# KiCad board panel.opm-inline.kicad_pcb
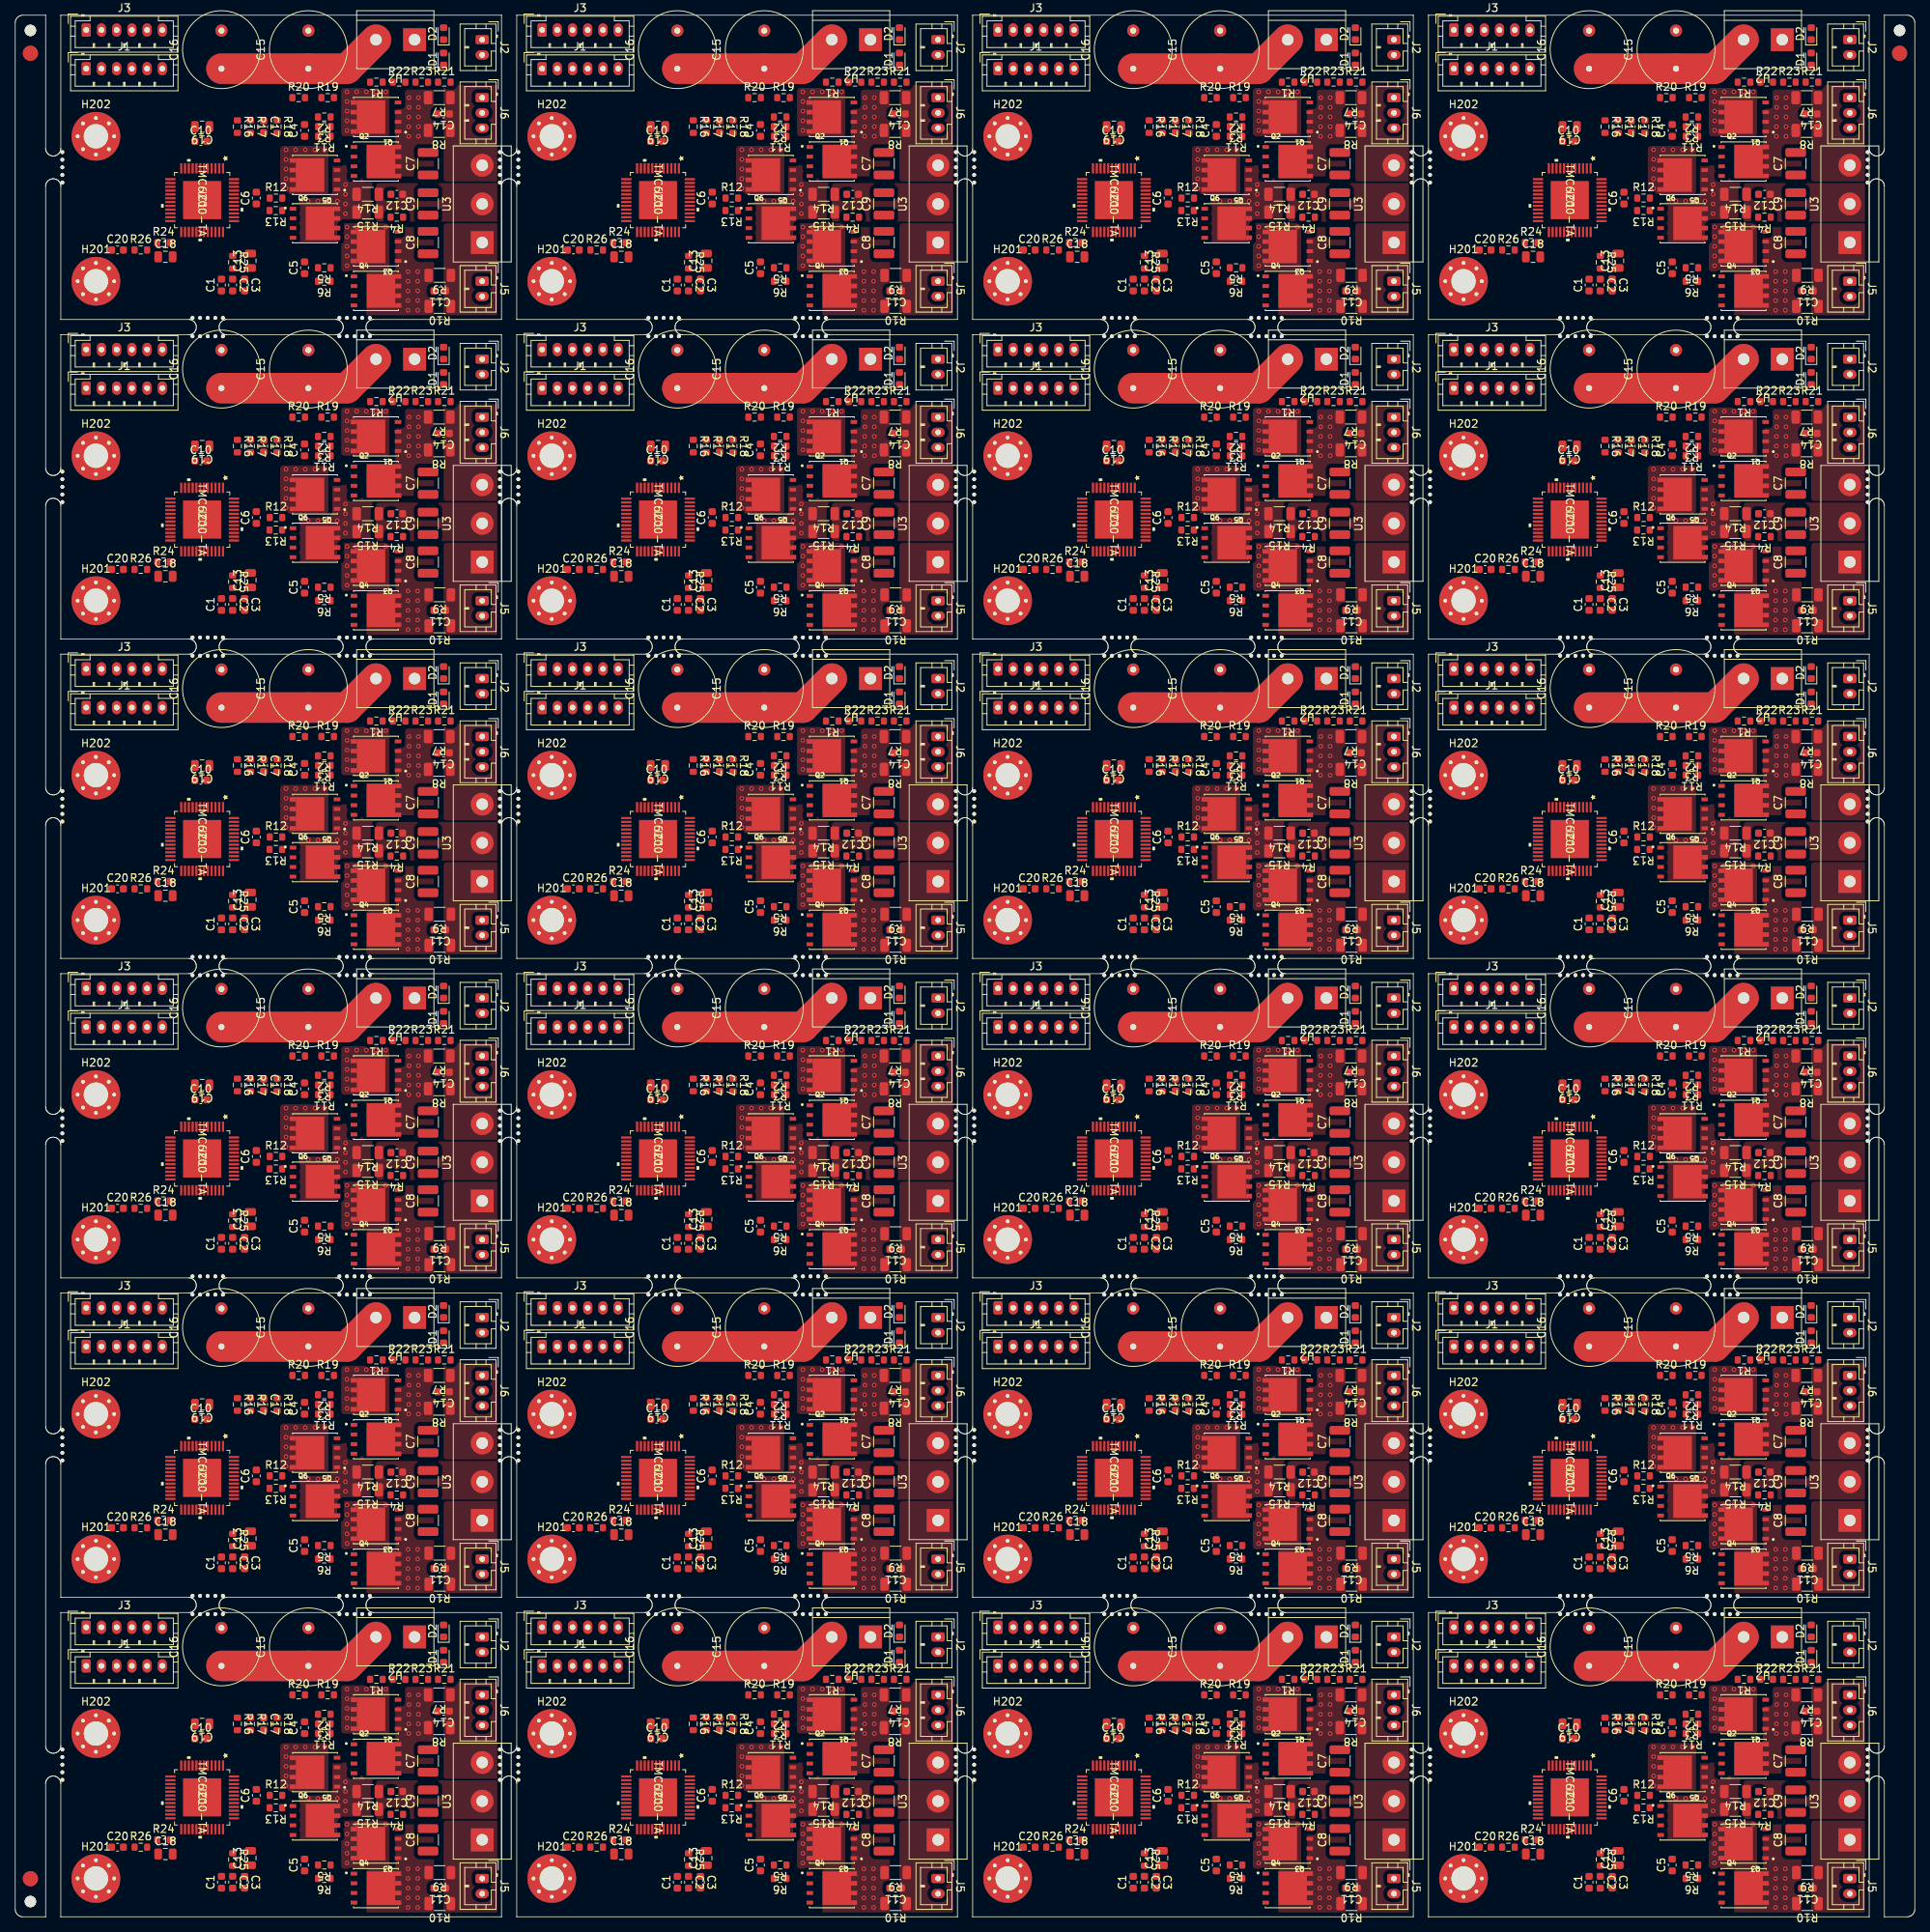
[diagram p0: board, top side]
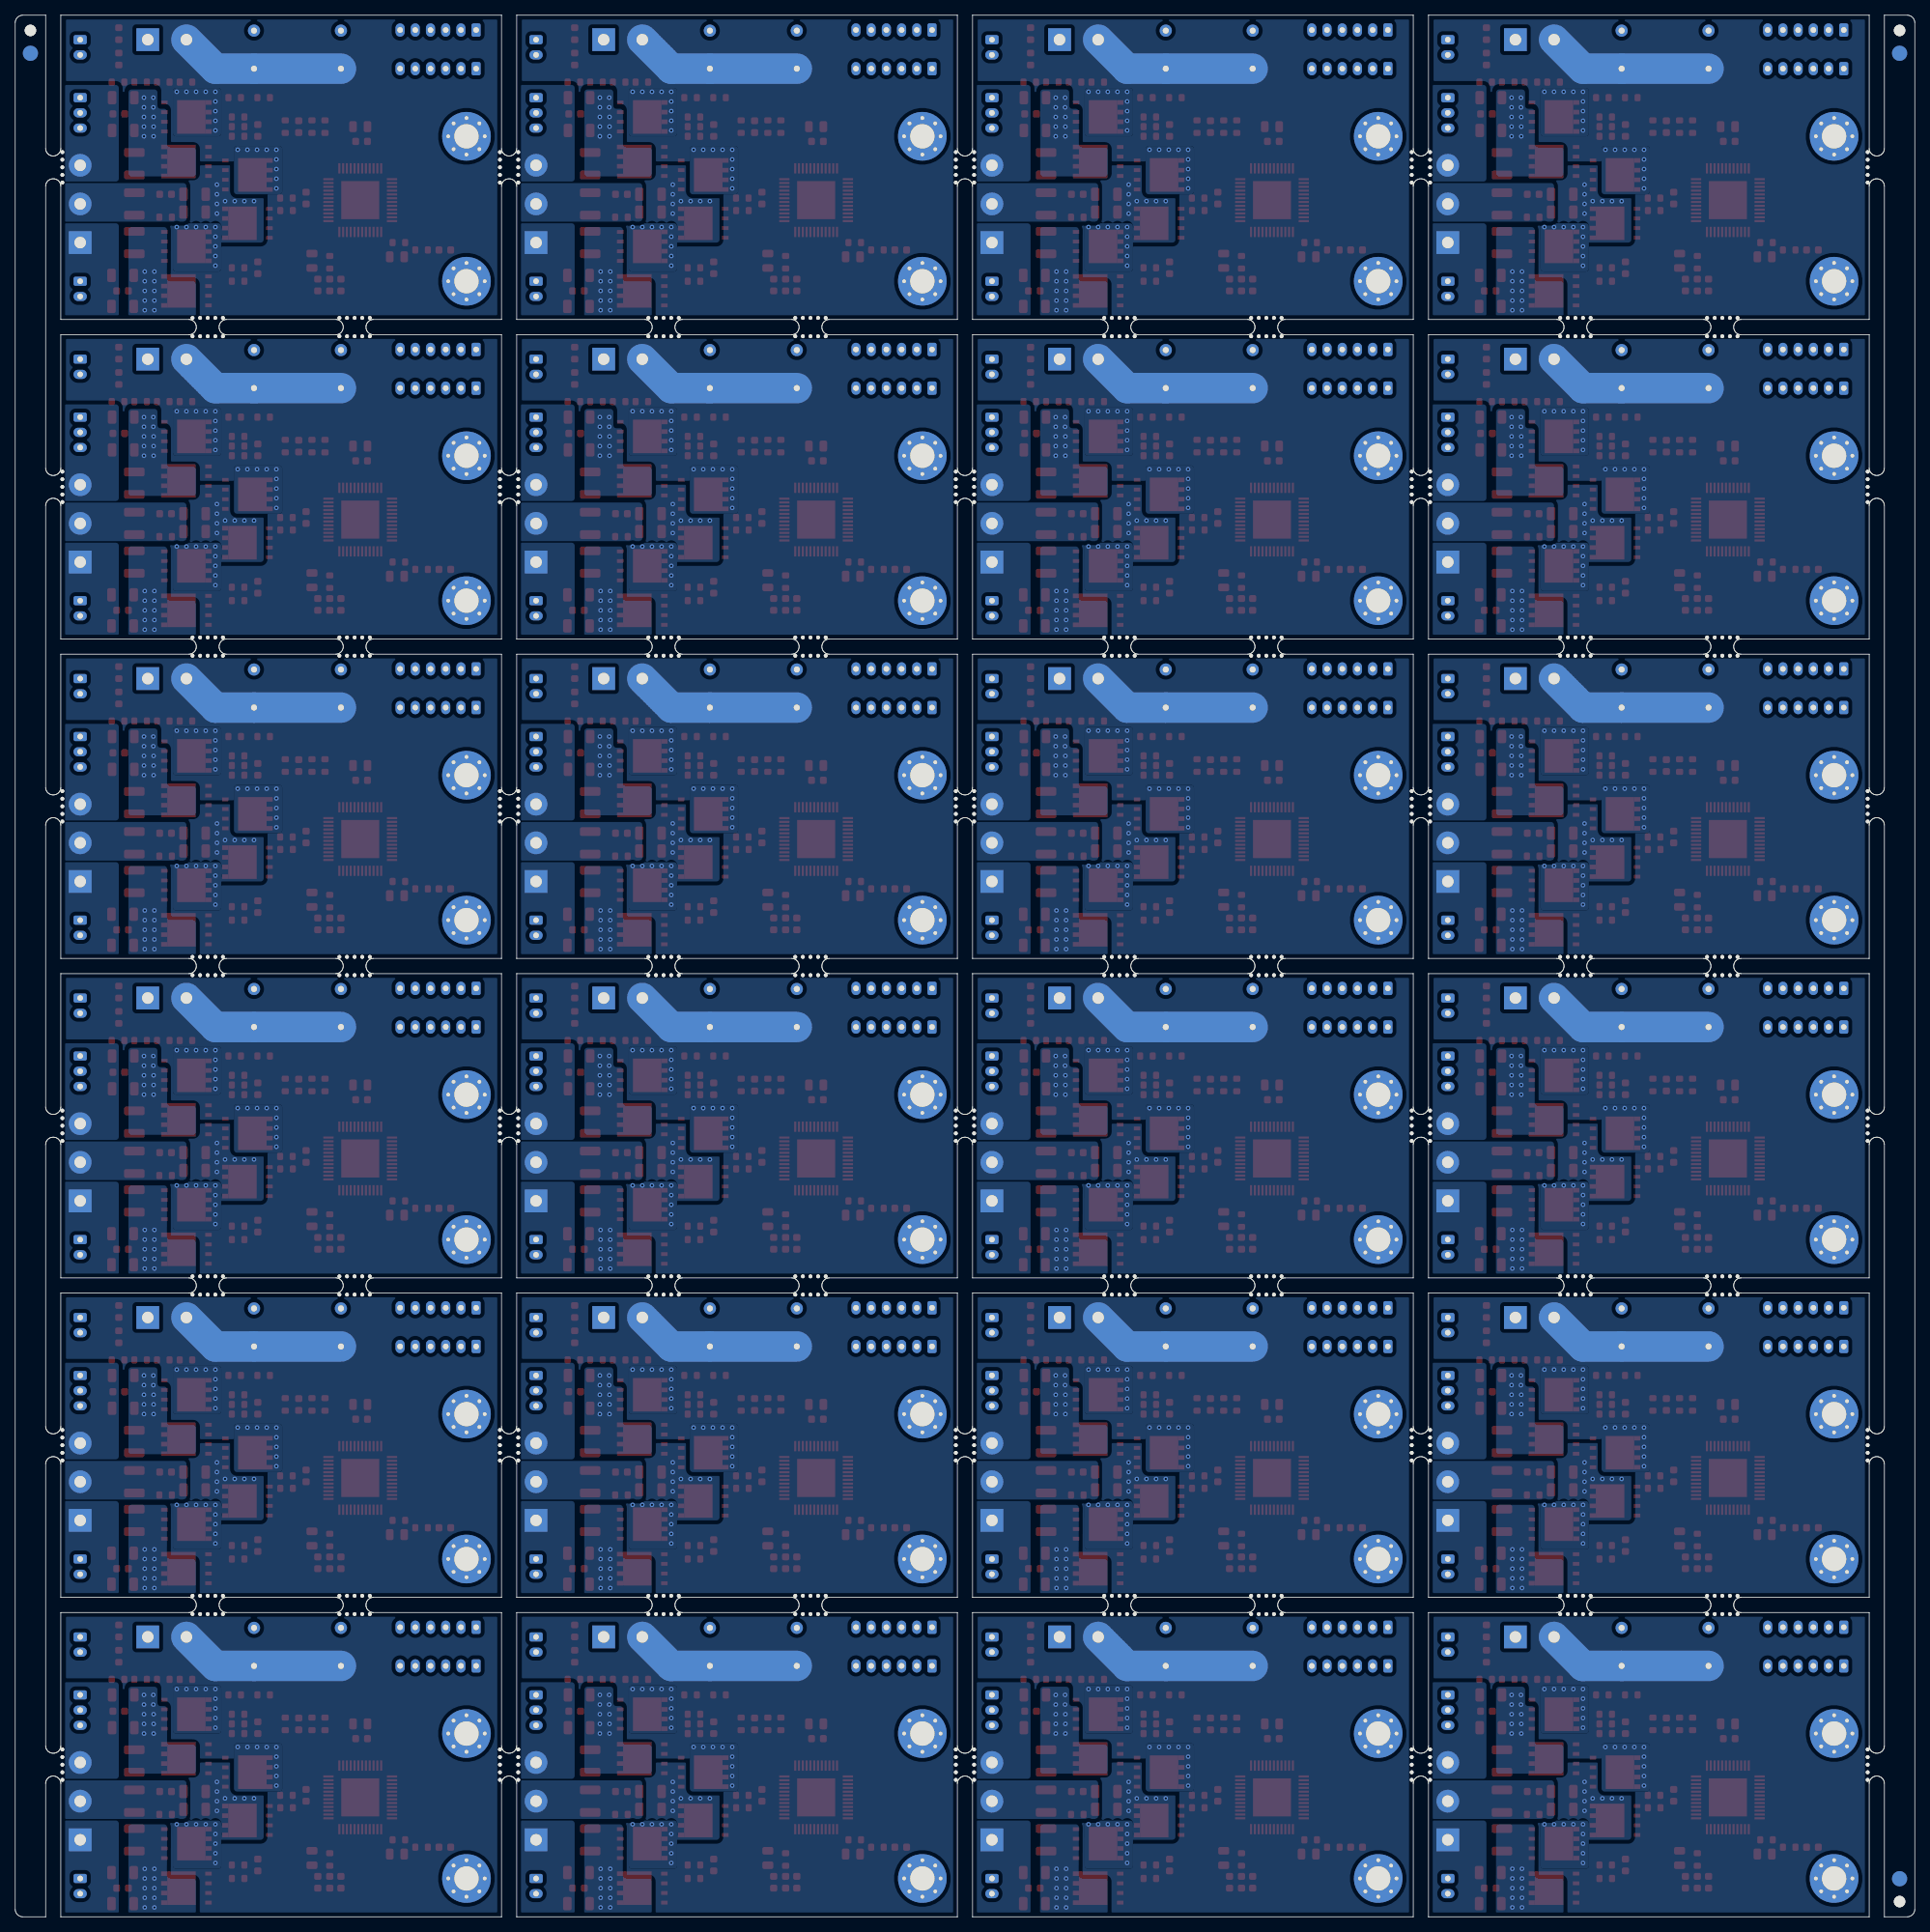
[diagram p1: board, bottom side, seen from below]

Outline 249.8 x 249.95 mm; copper layers: Top, In1.Cu, In2.Cu, Bottom. Coordinates in mm from the lower left corner of the outline.

## Placement (name value [footprint] x y rotation side)
C1  22nF/100V  [C_0603_1608Metric]  27.12 214.49 90 top
C1#2  22nF/100V  [C_0603_1608Metric]  87.07 214.49 90 top
C1#3  22nF/100V  [C_0603_1608Metric]  147.02 214.49 90 top
C1#4  22nF/100V  [C_0603_1608Metric]  206.97 214.49 90 top
C1#5  22nF/100V  [C_0603_1608Metric]  27.12 172.5 90 top
C1#6  22nF/100V  [C_0603_1608Metric]  87.07 172.5 90 top
C1#7  22nF/100V  [C_0603_1608Metric]  147.02 172.5 90 top
C1#8  22nF/100V  [C_0603_1608Metric]  206.97 172.5 90 top
C1#9  22nF/100V  [C_0603_1608Metric]  27.12 130.51 90 top
C1#10  22nF/100V  [C_0603_1608Metric]  87.07 130.51 90 top
C1#11  22nF/100V  [C_0603_1608Metric]  147.02 130.51 90 top
C1#12  22nF/100V  [C_0603_1608Metric]  206.97 130.51 90 top
C1#13  22nF/100V  [C_0603_1608Metric]  27.12 88.52 90 top
C1#14  22nF/100V  [C_0603_1608Metric]  87.07 88.52 90 top
C1#15  22nF/100V  [C_0603_1608Metric]  147.02 88.52 90 top
C1#16  22nF/100V  [C_0603_1608Metric]  206.97 88.52 90 top
C1#17  22nF/100V  [C_0603_1608Metric]  27.12 46.53 90 top
C1#18  22nF/100V  [C_0603_1608Metric]  87.07 46.53 90 top
C1#19  22nF/100V  [C_0603_1608Metric]  147.02 46.53 90 top
C1#20  22nF/100V  [C_0603_1608Metric]  206.97 46.53 90 top
C1#21  22nF/100V  [C_0603_1608Metric]  27.12 4.54 90 top
C1#22  22nF/100V  [C_0603_1608Metric]  87.07 4.54 90 top
C1#23  22nF/100V  [C_0603_1608Metric]  147.02 4.54 90 top
C1#24  22nF/100V  [C_0603_1608Metric]  206.97 4.54 90 top
C2  100nF/100V  [C_0603_1608Metric]  28.59 214.49 270 top
C2#2  100nF/100V  [C_0603_1608Metric]  88.54 214.49 270 top
C2#3  100nF/100V  [C_0603_1608Metric]  148.49 214.49 270 top
C2#4  100nF/100V  [C_0603_1608Metric]  208.44 214.49 270 top
C2#5  100nF/100V  [C_0603_1608Metric]  28.59 172.5 270 top
C2#6  100nF/100V  [C_0603_1608Metric]  88.54 172.5 270 top
C2#7  100nF/100V  [C_0603_1608Metric]  148.49 172.5 270 top
C2#8  100nF/100V  [C_0603_1608Metric]  208.44 172.5 270 top
C2#9  100nF/100V  [C_0603_1608Metric]  28.59 130.51 270 top
C2#10  100nF/100V  [C_0603_1608Metric]  88.54 130.51 270 top
C2#11  100nF/100V  [C_0603_1608Metric]  148.49 130.51 270 top
C2#12  100nF/100V  [C_0603_1608Metric]  208.44 130.51 270 top
C2#13  100nF/100V  [C_0603_1608Metric]  28.59 88.52 270 top
C2#14  100nF/100V  [C_0603_1608Metric]  88.54 88.52 270 top
C2#15  100nF/100V  [C_0603_1608Metric]  148.49 88.52 270 top
C2#16  100nF/100V  [C_0603_1608Metric]  208.44 88.52 270 top
C2#17  100nF/100V  [C_0603_1608Metric]  28.59 46.53 270 top
C2#18  100nF/100V  [C_0603_1608Metric]  88.54 46.53 270 top
C2#19  100nF/100V  [C_0603_1608Metric]  148.49 46.53 270 top
C2#20  100nF/100V  [C_0603_1608Metric]  208.44 46.53 270 top
C2#21  100nF/100V  [C_0603_1608Metric]  28.59 4.54 270 top
C2#22  100nF/100V  [C_0603_1608Metric]  88.54 4.54 270 top
C2#23  100nF/100V  [C_0603_1608Metric]  148.49 4.54 270 top
C2#24  100nF/100V  [C_0603_1608Metric]  208.44 4.54 270 top
C3  100nF/100V  [C_0603_1608Metric]  30.16 214.49 270 top
C3#2  100nF/100V  [C_0603_1608Metric]  90.11 214.49 270 top
C3#3  100nF/100V  [C_0603_1608Metric]  150.06 214.49 270 top
C3#4  100nF/100V  [C_0603_1608Metric]  210.01 214.49 270 top
C3#5  100nF/100V  [C_0603_1608Metric]  30.16 172.5 270 top
C3#6  100nF/100V  [C_0603_1608Metric]  90.11 172.5 270 top
C3#7  100nF/100V  [C_0603_1608Metric]  150.06 172.5 270 top
C3#8  100nF/100V  [C_0603_1608Metric]  210.01 172.5 270 top
C3#9  100nF/100V  [C_0603_1608Metric]  30.16 130.51 270 top
C3#10  100nF/100V  [C_0603_1608Metric]  90.11 130.51 270 top
C3#11  100nF/100V  [C_0603_1608Metric]  150.06 130.51 270 top
C3#12  100nF/100V  [C_0603_1608Metric]  210.01 130.51 270 top
C3#13  100nF/100V  [C_0603_1608Metric]  30.16 88.52 270 top
C3#14  100nF/100V  [C_0603_1608Metric]  90.11 88.52 270 top
C3#15  100nF/100V  [C_0603_1608Metric]  150.06 88.52 270 top
C3#16  100nF/100V  [C_0603_1608Metric]  210.01 88.52 270 top
C3#17  100nF/100V  [C_0603_1608Metric]  30.16 46.53 270 top
C3#18  100nF/100V  [C_0603_1608Metric]  90.11 46.53 270 top
C3#19  100nF/100V  [C_0603_1608Metric]  150.06 46.53 270 top
C3#20  100nF/100V  [C_0603_1608Metric]  210.01 46.53 270 top
C3#21  100nF/100V  [C_0603_1608Metric]  30.16 4.54 270 top
C3#22  100nF/100V  [C_0603_1608Metric]  90.11 4.54 270 top
C3#23  100nF/100V  [C_0603_1608Metric]  150.06 4.54 270 top
C3#24  100nF/100V  [C_0603_1608Metric]  210.01 4.54 270 top
C4  470nF/16V  [C_0603_1608Metric]  38.05 234.81 90 top
C4#2  470nF/16V  [C_0603_1608Metric]  98 234.81 90 top
C4#3  470nF/16V  [C_0603_1608Metric]  157.95 234.81 90 top
C4#4  470nF/16V  [C_0603_1608Metric]  217.9 234.81 90 top
C4#5  470nF/16V  [C_0603_1608Metric]  38.05 192.82 90 top
C4#6  470nF/16V  [C_0603_1608Metric]  98 192.82 90 top
C4#7  470nF/16V  [C_0603_1608Metric]  157.95 192.82 90 top
C4#8  470nF/16V  [C_0603_1608Metric]  217.9 192.82 90 top
C4#9  470nF/16V  [C_0603_1608Metric]  38.05 150.83 90 top
C4#10  470nF/16V  [C_0603_1608Metric]  98 150.83 90 top
C4#11  470nF/16V  [C_0603_1608Metric]  157.95 150.83 90 top
C4#12  470nF/16V  [C_0603_1608Metric]  217.9 150.83 90 top
C4#13  470nF/16V  [C_0603_1608Metric]  38.05 108.84 90 top
C4#14  470nF/16V  [C_0603_1608Metric]  98 108.84 90 top
C4#15  470nF/16V  [C_0603_1608Metric]  157.95 108.84 90 top
C4#16  470nF/16V  [C_0603_1608Metric]  217.9 108.84 90 top
C4#17  470nF/16V  [C_0603_1608Metric]  38.05 66.85 90 top
C4#18  470nF/16V  [C_0603_1608Metric]  98 66.85 90 top
C4#19  470nF/16V  [C_0603_1608Metric]  157.95 66.85 90 top
C4#20  470nF/16V  [C_0603_1608Metric]  217.9 66.85 90 top
C4#21  470nF/16V  [C_0603_1608Metric]  38.05 24.86 90 top
C4#22  470nF/16V  [C_0603_1608Metric]  98 24.86 90 top
C4#23  470nF/16V  [C_0603_1608Metric]  157.95 24.86 90 top
C4#24  470nF/16V  [C_0603_1608Metric]  217.9 24.86 90 top
C5  470nF/16V  [C_0603_1608Metric]  38.05 216.76 90 top
C5#2  470nF/16V  [C_0603_1608Metric]  98 216.76 90 top
C5#3  470nF/16V  [C_0603_1608Metric]  157.95 216.76 90 top
C5#4  470nF/16V  [C_0603_1608Metric]  217.9 216.76 90 top
C5#5  470nF/16V  [C_0603_1608Metric]  38.05 174.77 90 top
C5#6  470nF/16V  [C_0603_1608Metric]  98 174.77 90 top
C5#7  470nF/16V  [C_0603_1608Metric]  157.95 174.77 90 top
C5#8  470nF/16V  [C_0603_1608Metric]  217.9 174.77 90 top
C5#9  470nF/16V  [C_0603_1608Metric]  38.05 132.78 90 top
C5#10  470nF/16V  [C_0603_1608Metric]  98 132.78 90 top
C5#11  470nF/16V  [C_0603_1608Metric]  157.95 132.78 90 top
C5#12  470nF/16V  [C_0603_1608Metric]  217.9 132.78 90 top
C5#13  470nF/16V  [C_0603_1608Metric]  38.05 90.79 90 top
C5#14  470nF/16V  [C_0603_1608Metric]  98 90.79 90 top
C5#15  470nF/16V  [C_0603_1608Metric]  157.95 90.79 90 top
C5#16  470nF/16V  [C_0603_1608Metric]  217.9 90.79 90 top
C5#17  470nF/16V  [C_0603_1608Metric]  38.05 48.8 90 top
C5#18  470nF/16V  [C_0603_1608Metric]  98 48.8 90 top
C5#19  470nF/16V  [C_0603_1608Metric]  157.95 48.8 90 top
C5#20  470nF/16V  [C_0603_1608Metric]  217.9 48.8 90 top
C5#21  470nF/16V  [C_0603_1608Metric]  38.05 6.81 90 top
C5#22  470nF/16V  [C_0603_1608Metric]  98 6.81 90 top
C5#23  470nF/16V  [C_0603_1608Metric]  157.95 6.81 90 top
C5#24  470nF/16V  [C_0603_1608Metric]  217.9 6.81 90 top
C6  470nF/16V  [C_0603_1608Metric]  31.71 225.92 90 top
C6#2  470nF/16V  [C_0603_1608Metric]  91.66 225.92 90 top
C6#3  470nF/16V  [C_0603_1608Metric]  151.61 225.92 90 top
C6#4  470nF/16V  [C_0603_1608Metric]  211.56 225.92 90 top
C6#5  470nF/16V  [C_0603_1608Metric]  31.71 183.93 90 top
C6#6  470nF/16V  [C_0603_1608Metric]  91.66 183.93 90 top
C6#7  470nF/16V  [C_0603_1608Metric]  151.61 183.93 90 top
C6#8  470nF/16V  [C_0603_1608Metric]  211.56 183.93 90 top
C6#9  470nF/16V  [C_0603_1608Metric]  31.71 141.94 90 top
C6#10  470nF/16V  [C_0603_1608Metric]  91.66 141.94 90 top
C6#11  470nF/16V  [C_0603_1608Metric]  151.61 141.94 90 top
C6#12  470nF/16V  [C_0603_1608Metric]  211.56 141.94 90 top
C6#13  470nF/16V  [C_0603_1608Metric]  31.71 99.95 90 top
C6#14  470nF/16V  [C_0603_1608Metric]  91.66 99.95 90 top
C6#15  470nF/16V  [C_0603_1608Metric]  151.61 99.95 90 top
C6#16  470nF/16V  [C_0603_1608Metric]  211.56 99.95 90 top
C6#17  470nF/16V  [C_0603_1608Metric]  31.71 57.96 90 top
C6#18  470nF/16V  [C_0603_1608Metric]  91.66 57.96 90 top
C6#19  470nF/16V  [C_0603_1608Metric]  151.61 57.96 90 top
C6#20  470nF/16V  [C_0603_1608Metric]  211.56 57.96 90 top
C6#21  470nF/16V  [C_0603_1608Metric]  31.71 15.97 90 top
C6#22  470nF/16V  [C_0603_1608Metric]  91.66 15.97 90 top
C6#23  470nF/16V  [C_0603_1608Metric]  151.61 15.97 90 top
C6#24  470nF/16V  [C_0603_1608Metric]  211.56 15.97 90 top
C7  4.7uF/100V  [C_1210_3225Metric]  54.29 230.43 90 top
C7#2  4.7uF/100V  [C_1210_3225Metric]  114.24 230.43 90 top
C7#3  4.7uF/100V  [C_1210_3225Metric]  174.19 230.43 90 top
C7#4  4.7uF/100V  [C_1210_3225Metric]  234.14 230.43 90 top
C7#5  4.7uF/100V  [C_1210_3225Metric]  54.29 188.44 90 top
C7#6  4.7uF/100V  [C_1210_3225Metric]  114.24 188.44 90 top
C7#7  4.7uF/100V  [C_1210_3225Metric]  174.19 188.44 90 top
C7#8  4.7uF/100V  [C_1210_3225Metric]  234.14 188.44 90 top
C7#9  4.7uF/100V  [C_1210_3225Metric]  54.29 146.45 90 top
C7#10  4.7uF/100V  [C_1210_3225Metric]  114.24 146.45 90 top
C7#11  4.7uF/100V  [C_1210_3225Metric]  174.19 146.45 90 top
C7#12  4.7uF/100V  [C_1210_3225Metric]  234.14 146.45 90 top
C7#13  4.7uF/100V  [C_1210_3225Metric]  54.29 104.46 90 top
C7#14  4.7uF/100V  [C_1210_3225Metric]  114.24 104.46 90 top
C7#15  4.7uF/100V  [C_1210_3225Metric]  174.19 104.46 90 top
C7#16  4.7uF/100V  [C_1210_3225Metric]  234.14 104.46 90 top
C7#17  4.7uF/100V  [C_1210_3225Metric]  54.29 62.47 90 top
C7#18  4.7uF/100V  [C_1210_3225Metric]  114.24 62.47 90 top
C7#19  4.7uF/100V  [C_1210_3225Metric]  174.19 62.47 90 top
C7#20  4.7uF/100V  [C_1210_3225Metric]  234.14 62.47 90 top
C7#21  4.7uF/100V  [C_1210_3225Metric]  54.29 20.48 90 top
C7#22  4.7uF/100V  [C_1210_3225Metric]  114.24 20.48 90 top
C7#23  4.7uF/100V  [C_1210_3225Metric]  174.19 20.48 90 top
C7#24  4.7uF/100V  [C_1210_3225Metric]  234.14 20.48 90 top
C8  4.7uF/100V  [C_1210_3225Metric]  54.29 220.07 90 top
C8#2  4.7uF/100V  [C_1210_3225Metric]  114.24 220.07 90 top
C8#3  4.7uF/100V  [C_1210_3225Metric]  174.19 220.07 90 top
C8#4  4.7uF/100V  [C_1210_3225Metric]  234.14 220.07 90 top
C8#5  4.7uF/100V  [C_1210_3225Metric]  54.29 178.08 90 top
C8#6  4.7uF/100V  [C_1210_3225Metric]  114.24 178.08 90 top
C8#7  4.7uF/100V  [C_1210_3225Metric]  174.19 178.08 90 top
C8#8  4.7uF/100V  [C_1210_3225Metric]  234.14 178.08 90 top
C8#9  4.7uF/100V  [C_1210_3225Metric]  54.29 136.09 90 top
C8#10  4.7uF/100V  [C_1210_3225Metric]  114.24 136.09 90 top
C8#11  4.7uF/100V  [C_1210_3225Metric]  174.19 136.09 90 top
C8#12  4.7uF/100V  [C_1210_3225Metric]  234.14 136.09 90 top
C8#13  4.7uF/100V  [C_1210_3225Metric]  54.29 94.1 90 top
C8#14  4.7uF/100V  [C_1210_3225Metric]  114.24 94.1 90 top
C8#15  4.7uF/100V  [C_1210_3225Metric]  174.19 94.1 90 top
C8#16  4.7uF/100V  [C_1210_3225Metric]  234.14 94.1 90 top
C8#17  4.7uF/100V  [C_1210_3225Metric]  54.29 52.11 90 top
C8#18  4.7uF/100V  [C_1210_3225Metric]  114.24 52.11 90 top
C8#19  4.7uF/100V  [C_1210_3225Metric]  174.19 52.11 90 top
C8#20  4.7uF/100V  [C_1210_3225Metric]  234.14 52.11 90 top
C8#21  4.7uF/100V  [C_1210_3225Metric]  54.29 10.12 90 top
C8#22  4.7uF/100V  [C_1210_3225Metric]  114.24 10.12 90 top
C8#23  4.7uF/100V  [C_1210_3225Metric]  174.19 10.12 90 top
C8#24  4.7uF/100V  [C_1210_3225Metric]  234.14 10.12 90 top
C9  4.7uF/100V  [C_1210_3225Metric]  54.29 225.15 90 top
C9#2  4.7uF/100V  [C_1210_3225Metric]  114.24 225.15 90 top
C9#3  4.7uF/100V  [C_1210_3225Metric]  174.19 225.15 90 top
C9#4  4.7uF/100V  [C_1210_3225Metric]  234.14 225.15 90 top
C9#5  4.7uF/100V  [C_1210_3225Metric]  54.29 183.16 90 top
C9#6  4.7uF/100V  [C_1210_3225Metric]  114.24 183.16 90 top
C9#7  4.7uF/100V  [C_1210_3225Metric]  174.19 183.16 90 top
C9#8  4.7uF/100V  [C_1210_3225Metric]  234.14 183.16 90 top
C9#9  4.7uF/100V  [C_1210_3225Metric]  54.29 141.17 90 top
C9#10  4.7uF/100V  [C_1210_3225Metric]  114.24 141.17 90 top
C9#11  4.7uF/100V  [C_1210_3225Metric]  174.19 141.17 90 top
C9#12  4.7uF/100V  [C_1210_3225Metric]  234.14 141.17 90 top
C9#13  4.7uF/100V  [C_1210_3225Metric]  54.29 99.18 90 top
C9#14  4.7uF/100V  [C_1210_3225Metric]  114.24 99.18 90 top
C9#15  4.7uF/100V  [C_1210_3225Metric]  174.19 99.18 90 top
C9#16  4.7uF/100V  [C_1210_3225Metric]  234.14 99.18 90 top
C9#17  4.7uF/100V  [C_1210_3225Metric]  54.29 57.19 90 top
C9#18  4.7uF/100V  [C_1210_3225Metric]  114.24 57.19 90 top
C9#19  4.7uF/100V  [C_1210_3225Metric]  174.19 57.19 90 top
C9#20  4.7uF/100V  [C_1210_3225Metric]  234.14 57.19 90 top
C9#21  4.7uF/100V  [C_1210_3225Metric]  54.29 15.2 90 top
C9#22  4.7uF/100V  [C_1210_3225Metric]  114.24 15.2 90 top
C9#23  4.7uF/100V  [C_1210_3225Metric]  174.19 15.2 90 top
C9#24  4.7uF/100V  [C_1210_3225Metric]  234.14 15.2 90 top
C10  100nF/50V  [C_0603_1608Metric]  24.41 233.37 0 top
C10#2  100nF/50V  [C_0603_1608Metric]  84.36 233.37 0 top
C10#3  100nF/50V  [C_0603_1608Metric]  144.31 233.37 0 top
C10#4  100nF/50V  [C_0603_1608Metric]  204.26 233.37 0 top
C10#5  100nF/50V  [C_0603_1608Metric]  24.41 191.38 0 top
C10#6  100nF/50V  [C_0603_1608Metric]  84.36 191.38 0 top
C10#7  100nF/50V  [C_0603_1608Metric]  144.31 191.38 0 top
C10#8  100nF/50V  [C_0603_1608Metric]  204.26 191.38 0 top
C10#9  100nF/50V  [C_0603_1608Metric]  24.41 149.39 0 top
C10#10  100nF/50V  [C_0603_1608Metric]  84.36 149.39 0 top
C10#11  100nF/50V  [C_0603_1608Metric]  144.31 149.39 0 top
C10#12  100nF/50V  [C_0603_1608Metric]  204.26 149.39 0 top
C10#13  100nF/50V  [C_0603_1608Metric]  24.41 107.4 0 top
C10#14  100nF/50V  [C_0603_1608Metric]  84.36 107.4 0 top
C10#15  100nF/50V  [C_0603_1608Metric]  144.31 107.4 0 top
C10#16  100nF/50V  [C_0603_1608Metric]  204.26 107.4 0 top
C10#17  100nF/50V  [C_0603_1608Metric]  24.41 65.41 0 top
C10#18  100nF/50V  [C_0603_1608Metric]  84.36 65.41 0 top
C10#19  100nF/50V  [C_0603_1608Metric]  144.31 65.41 0 top
C10#20  100nF/50V  [C_0603_1608Metric]  204.26 65.41 0 top
C10#21  100nF/50V  [C_0603_1608Metric]  24.41 23.42 0 top
C10#22  100nF/50V  [C_0603_1608Metric]  84.36 23.42 0 top
C10#23  100nF/50V  [C_0603_1608Metric]  144.31 23.42 0 top
C10#24  100nF/50V  [C_0603_1608Metric]  204.26 23.42 0 top
C11  1nF/100V  [C_0603_1608Metric]  55.84 213.72 180 top
C11#2  1nF/100V  [C_0603_1608Metric]  115.79 213.72 180 top
C11#3  1nF/100V  [C_0603_1608Metric]  175.74 213.72 180 top
C11#4  1nF/100V  [C_0603_1608Metric]  235.69 213.72 180 top
C11#5  1nF/100V  [C_0603_1608Metric]  55.84 171.73 180 top
C11#6  1nF/100V  [C_0603_1608Metric]  115.79 171.73 180 top
C11#7  1nF/100V  [C_0603_1608Metric]  175.74 171.73 180 top
C11#8  1nF/100V  [C_0603_1608Metric]  235.69 171.73 180 top
C11#9  1nF/100V  [C_0603_1608Metric]  55.84 129.74 180 top
C11#10  1nF/100V  [C_0603_1608Metric]  115.79 129.74 180 top
C11#11  1nF/100V  [C_0603_1608Metric]  175.74 129.74 180 top
C11#12  1nF/100V  [C_0603_1608Metric]  235.69 129.74 180 top
C11#13  1nF/100V  [C_0603_1608Metric]  55.84 87.75 180 top
C11#14  1nF/100V  [C_0603_1608Metric]  115.79 87.75 180 top
C11#15  1nF/100V  [C_0603_1608Metric]  175.74 87.75 180 top
C11#16  1nF/100V  [C_0603_1608Metric]  235.69 87.75 180 top
C11#17  1nF/100V  [C_0603_1608Metric]  55.84 45.76 180 top
C11#18  1nF/100V  [C_0603_1608Metric]  115.79 45.76 180 top
C11#19  1nF/100V  [C_0603_1608Metric]  175.74 45.76 180 top
C11#20  1nF/100V  [C_0603_1608Metric]  235.69 45.76 180 top
C11#21  1nF/100V  [C_0603_1608Metric]  55.84 3.77 180 top
C11#22  1nF/100V  [C_0603_1608Metric]  115.79 3.77 180 top
C11#23  1nF/100V  [C_0603_1608Metric]  175.74 3.77 180 top
C11#24  1nF/100V  [C_0603_1608Metric]  235.69 3.77 180 top
C12  1nF/100V  [C_0603_1608Metric]  50.18 226.42 180 top
C12#2  1nF/100V  [C_0603_1608Metric]  110.13 226.42 180 top
C12#3  1nF/100V  [C_0603_1608Metric]  170.08 226.42 180 top
C12#4  1nF/100V  [C_0603_1608Metric]  230.03 226.42 180 top
C12#5  1nF/100V  [C_0603_1608Metric]  50.18 184.43 180 top
C12#6  1nF/100V  [C_0603_1608Metric]  110.13 184.43 180 top
C12#7  1nF/100V  [C_0603_1608Metric]  170.08 184.43 180 top
C12#8  1nF/100V  [C_0603_1608Metric]  230.03 184.43 180 top
C12#9  1nF/100V  [C_0603_1608Metric]  50.18 142.44 180 top
C12#10  1nF/100V  [C_0603_1608Metric]  110.13 142.44 180 top
C12#11  1nF/100V  [C_0603_1608Metric]  170.08 142.44 180 top
C12#12  1nF/100V  [C_0603_1608Metric]  230.03 142.44 180 top
C12#13  1nF/100V  [C_0603_1608Metric]  50.18 100.45 180 top
C12#14  1nF/100V  [C_0603_1608Metric]  110.13 100.45 180 top
C12#15  1nF/100V  [C_0603_1608Metric]  170.08 100.45 180 top
C12#16  1nF/100V  [C_0603_1608Metric]  230.03 100.45 180 top
C12#17  1nF/100V  [C_0603_1608Metric]  50.18 58.46 180 top
C12#18  1nF/100V  [C_0603_1608Metric]  110.13 58.46 180 top
C12#19  1nF/100V  [C_0603_1608Metric]  170.08 58.46 180 top
C12#20  1nF/100V  [C_0603_1608Metric]  230.03 58.46 180 top
C12#21  1nF/100V  [C_0603_1608Metric]  50.18 16.47 180 top
C12#22  1nF/100V  [C_0603_1608Metric]  110.13 16.47 180 top
C12#23  1nF/100V  [C_0603_1608Metric]  170.08 16.47 180 top
C12#24  1nF/100V  [C_0603_1608Metric]  230.03 16.47 180 top
C13  2.2uF/50V  [C_0805_2012Metric]  30.93 217.68 90 top
C13#2  2.2uF/50V  [C_0805_2012Metric]  90.88 217.68 90 top
C13#3  2.2uF/50V  [C_0805_2012Metric]  150.83 217.68 90 top
C13#4  2.2uF/50V  [C_0805_2012Metric]  210.78 217.68 90 top
C13#5  2.2uF/50V  [C_0805_2012Metric]  30.93 175.69 90 top
C13#6  2.2uF/50V  [C_0805_2012Metric]  90.88 175.69 90 top
C13#7  2.2uF/50V  [C_0805_2012Metric]  150.83 175.69 90 top
C13#8  2.2uF/50V  [C_0805_2012Metric]  210.78 175.69 90 top